# KiCad board mainboard.kicad_pcb (continued)
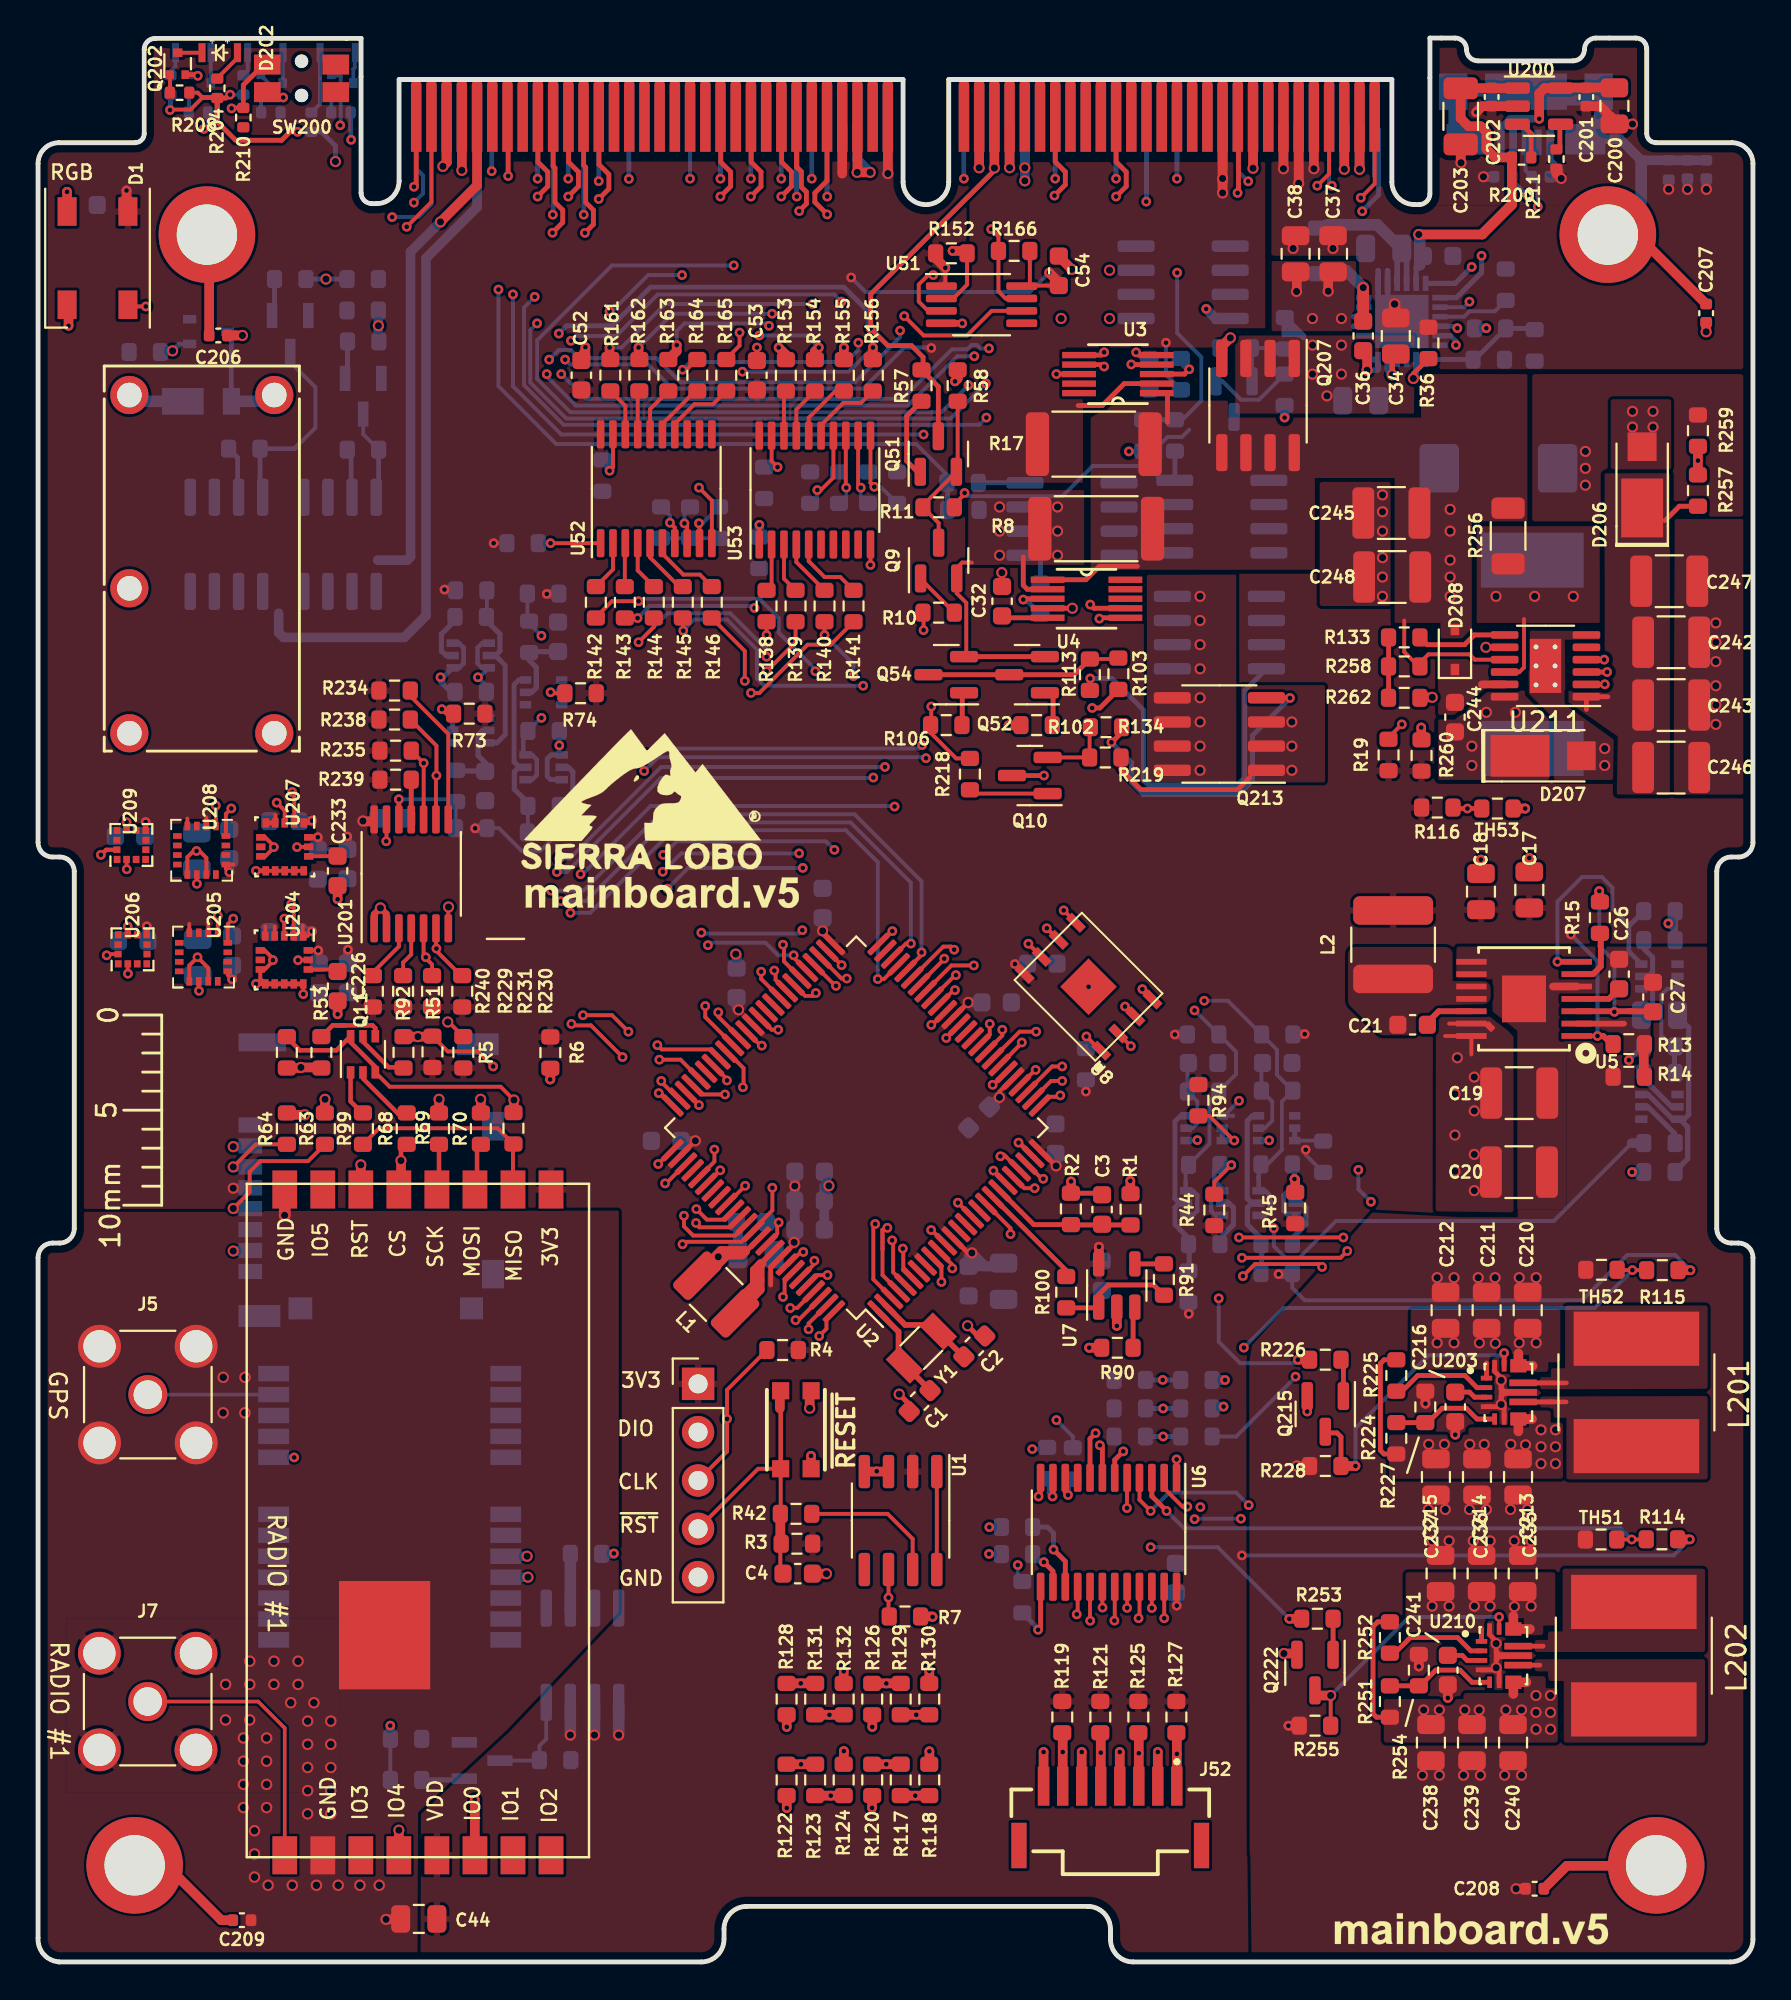
[diagram p0: board, top side]
## Nets (continued)
Net-(R140-Pad2): R140.2 U53.4
Net-(R141-Pad2): R141.2 U53.5
Net-(R142-Pad2): R142.2 U52.2
Net-(R143-Pad2): R143.2 U52.3
Net-(R144-Pad2): R144.2 U52.4
Net-(R145-Pad2): R145.2 U52.5
Net-(R146-Pad2): R146.2 U52.6
Net-(R147-Pad2): R147.2 U52.7
Net-(R148-Pad2): R148.2 U52.8
Net-(R149-Pad2): R149.2 U52.9
Net-(R150-Pad2): R150.2 U53.1
Net-(R151-Pad2): R151.2 U53.19
Net-(R153-Pad1): R153.1 U53.18
Net-(R154-Pad1): R154.1 U53.17
Net-(R155-Pad1): R155.1 U53.16
Net-(R156-Pad1): R156.1 U53.15
Net-(R157-Pad1): R157.1 U53.14
Net-(R158-Pad1): R158.1 U53.13
Net-(R159-Pad1): R159.1 U53.12
Net-(R160-Pad1): R160.1 U53.11
Net-(R161-Pad1): R161.1 U52.18
Net-(R162-Pad1): R162.1 U52.17
Net-(R163-Pad1): R163.1 U52.16
Net-(R164-Pad1): R164.1 U52.15
Net-(R165-Pad1): R165.1 U52.14
Net-(R167-Pad1): R167.1 U17.3
Net-(R224-Pad2): R224.2 R227.1 U203.5
Net-(R225-Pad2): R225.2 U203.2
Net-(R229-Pad2): R229.2 U201.4
Net-(R234-Pad2): R234.2 U201.8
Net-(R239-Pad2): R239.2 U201.11
Net-(R240-Pad2): R240.2 U201.3
Net-(R251-Pad2): R251.2 R254.1 U210.5
Net-(R252-Pad2): R252.2 U210.2
Net-(R257-Pad2): R257.2 R259.1 U211.2
Net-(U1-Pad1): U1.1 U1.8

Pads without a net: J1 1 8 DT SW; J52 S1 S2; J200 4; U1 5; U2 49 60 61 79 82 83; U3 9 10; U4 8 9 10; U6 9; U14 1 2 3 4 5 6 7 9 14 15 16 17 18 19; U17 6 9 10; U23 3 7 8 15; U51 5; U52 11 12 13; U53 6 7 8 9; U204 7; U205 3 5 6 7 8 12 14 15; U206 1 3 4 5 6 8 10 11; U207 7; U208 3 5 6 7 8 12 14 15; U209 1 3 4 5 6 8 10 11; U211 5

## Via types
v1: diameter 0.6, hole 0.4, Top to Bottom, 43 vias
v2: diameter 0.584, hole 0.381, Top to Bottom, 225 vias
v3: diameter 0.508, hole 0.254, Top to Bottom, 464 vias

## Routing (per net, layer and track width the routed paths; a pad name or vN(x,y) marks a point on that pad's centre or on a via; arc(x,y) is an arc through that point)
3.3V: length 145.8
  Top w0.203: v3(14.41,54.19) 14.16,53.94 U204.1 ; v3(10.06,57.29) 9.88,57.47 U208.13 10.26,57.69 10.26,57.7 ; U5.1 v3(82,48.68) ; U204.5 11.95,54.44 ; U208.4 7.85,60.11 ; U204.4 12.45,54.44 ; v3(47.7,89.07) 47.7,88.31 U51.1 ; v3(14.73,53.17) 14.73,53.18 U204.16 ; C54.1 51.75,88.13 U51.8 ; U207.1 14.29,59.88 v3(14.4,60) ; v2(50.55,45.45) 50.55,45.76 51.23,46.44 ; U201.14 17.17,60.07 v2(17.08,59.98) ; 51.87,51.95 v3(51.36,52.46) ; U207.16 14.7,59.12 v3(14.71,59.13) ; U205.2 8.95,54.54 ; U208.2 8.85,60.18 ; U205.13 9.98,51.89 v3(10.21,51.66) ; 13.92,53.96 13.92,54.5 ; U205.4 7.95,54.57 ; R166.1 52.15,88.3 ; U207.4 12.47,60.32
  Top w0.254: 48.07,38.11 48.9,37.27 v2(49.1,37.27) ; U206.7 v3(5.72,54.44) ; U2.77 v2(34.56,43.17) ; v2(53.53,41.85) 53.51,41.85 U2.25 ; U2.39 v2(48.9,50.44) ; 38.52,35.59 38.52,36.52 U2.92 39.78,37.78 ; 39.78,37.73 39.78,37.74 ; 12.47,59.88 11.97,59.88 ; U209.7 v3(5.66,59.93)
  Top w0.305: 82.85,48.13 82.3,48.68 v3(82,48.68)
  Top w0.508: R152.1 47.2,89.57 v3(47.7,89.07) ; P1.63 v2(44.68,94.02) ; P1.58 42.28,94.02 ; v3(53.16,88.81) 53.67,88.3 C54.1 ; U7.5 55.78,36.71 v3(55.78,37.6) ; v3(86.88,36.37) 86.23,36.37 R115.1 ; v3(86.84,22.21) 86.21,22.21 R114.1 ; v2(17.08,59.98) 17.11,59.96 17.43,59.96 ; v3(4.65,93.13) 4.65,92.1
  Bottom w0.203: R62.1 26.42,58.42 25.42,58.42 24.24,59.6 R66.1 ; v3(5.66,59.93) 5.66,59.22 C229.1 ; R93.1 66.65,42.43 v3(66.65,42.7) ; v3(63.3,21.37) 86,21.37 v3(86.84,22.21) ; v3(53.16,88.81) 52.15,87.8 43.51,87.8 v3(42.75,88.56) ; R82.1 65.95,35.44 66.6,34.78 81.18,34.78 83.57,37.17 86.07,37.17 v3(86.88,36.37) ; v3(80.6,54.01) 82,52.61 v3(82,48.68) ; R50.2 v3(55.09,45.76) ; v3(47.7,89.07) 47.7,87.92 ; C230.1 14.74,58.5 ; R136.1 v3(23.95,74.59)
  Bottom w0.254: v3(55.78,37.6) 55.78,37
  Bottom w0.508: 50.04,44.95 v2(50.55,45.45) ; 34.55,43.18 v2(34.56,43.17) ; v2(36.83,50.06) 36.73,50.16 C251.1 ; 39.73,38.29 39.73,37.86 v2(39.75,37.83) 39.79,37.87 v2(39.79,40.79) 39.79,41.29 ; v3(21.37,72.15) 21.91,72.15 R61.1 ; v3(10.06,57.29) 10.06,57.99 C228.1 ; C217.1 17.71,59.98 v2(17.08,59.98) ; v3(14.4,60) 13.76,60 C227.1 ; R83.1 60.51,34.67 v3(60.51,34.07) ; v3(14.41,54.19) 13.75,54.19 C220.1 ; v3(26.75,71.92) 27.36,71.92 R67.1 ; v2(10.26,40.68) 11.14,40.68 J1.4 ; C230.1 16.26,58.51 v3(16.26,59.17) ; v3(4.65,93.13) 4.66,93.12 C5.1 ; v3(66.6,48.78) 66,48.78 R84.1 ; v3(59.87,18.73) 59.87,19.36 C9.1 ; v2(53.53,41.85) 53.5,41.88 C11.1 ; 50.6,36.57 49.8,36.57 v2(49.1,37.27) 48.93,37.1 C10.1 50.59,36.56 ; v3(22.98,59.6) 23.6,59.6 R66.1 ; R85.1 60.43,48.76 v3(59.77,48.76) ; v3(10.21,51.66) C221.1 ; v3(14.71,59.13) 14.71,58.47 C231.1 ; v3(16.29,53.21) 16.29,52.51 C223.1 ; C219.1 48.91,50.44 v2(48.9,50.44) ; C252.1 34.5,43.17 ; v2(41.25,54.21) C234.1 ; v3(5.72,54.44) 5.72,53.75 ; C224.1 14.73,52.53 v3(14.73,53.17) ; v3(65.23,36.16) 65.89,36.16 R82.1 ; P1.63 v2(44.68,94.02)
  Bottom w0.61: 30.53,13.53 v2(30.53,11.93) ; 29.26,13.53 v2(29.26,11.93) ; 27.99,13.53 v2(27.99,11.93)
5V_USB: length 139.2
  Top w0.203: R204.1 9.92,97.99 10.1,98.17 ; R208.2 8.4,98.27 8.65,98.02 8.02,97.38 6.96,97.38
  Top w0.235: v3(6.94,97.36) 6.96,97.38
  Top w0.254: 9.9,97.99 R204.1 9.42,96.74 10.39,95.77 12.8,95.77 13.25,96.22 v3(13.64,96.22) ; 8.65,98.02 9.4,98.02 ; v2(50.28,94.31) 50.28,94.19 43.78,87.68 v3(43.78,85.88) 44.68,84.98 45.93,84.98 46.53,84.37 46.53,83.78 R57.2 47.34,82.82 Q51.3 ; 9.42,96.96 9.42,97.18
  Top w0.272: 9.42,97.18 R204.1
  Top w0.508: C203.1 74.8,96.92 75.21,96.51 75.85,96.51 76.16,96.21 76.16,95.31 76.6,94.87 R200.1 77.49,92.42 ; 77.82,98.51 74.81,98.51 ; 77.49,92.42 77.49,92.37 75.94,90.82 v2(72.6,90.82) ; 77.49,92.42 77.49,92.41 75.9,90.82 ; P1.70 v2(50.28,94.31)
  In2.Cu w0.254: v3(76.15,85.89) 76.15,88.35 79.58,91.78 79.58,92.8 78.84,93.54 77.75,93.54 75.03,90.82 v2(72.6,90.82) ; v3(27.38,85.61) 27.36,85.64 22.05,85.64 15.64,92.05 v2(15.64,94.65)
  In2.Cu w0.508: v2(72.6,90.82) 72.38,90.82 70.4,92.79 70.4,95.02 69.93,95.49 50.8,95.49 50.28,94.97 v2(50.28,94.31)
  Bottom w0.203: 13.92,96.22 14.37,96.22 ; 13.92,96.22 13.72,96.22 ; 13.92,96.22 v3(13.64,96.22) ; R203.1 v3(10.1,98.17)
  Bottom w0.254: 6.96,97.38 R202.1 ; v2(15.64,94.65) 15.64,95.48 14.9,96.21 R205.1 ; v3(27.38,85.61) 27.79,86.02 30.18,86.02 32.21,88.05 42.37,88.05 43.64,86.78 43.64,86.02 v3(43.78,85.88)
  Bottom w0.279: 72.65,89.29 72.46,89.1 U17.23
  Bottom w0.508: v3(76.15,85.89) 75.53,85.89 R34.1
  Bottom w0.61: 72.65,89.22 72.65,90.79
/adc_mux/Vcc_PYLD_adc: length 9
  Top w0.254: U6.8 55.31,27.51 v3(55.6,27.8)
  In2.Cu w0.254: v3(55.6,27.8) 56.34,27.8 v3(59.13,30.6)
  Bottom w0.254: R41.2 v3(59.13,30.6) R54.1
/adc_mux/Vcc_RF_adc: length 7.7
  Top w0.254: U6.7 55.96,27.03 v3(55.83,27.16)
  In2.Cu w0.254: v3(55.83,27.16) 56.43,27.16 58.36,29.1 v3(59.16,29.1)
  Bottom w0.254: R56.1 v3(59.16,29.1) R55.2
/Power/3V3_EN: length 13.6
  Top w0.254: v3(79.89,52.58) 79.89,52.58 U5.7
  Bottom w0.203: v3(79.89,52.58) 79.89,55.75 81.18,57.04 82.22,57.04 82.78,56.48 82.78,55.38 83.68,54.49
  Bottom w0.254: Q2.6 83.64,53.12 83.64,54.46 R29.2
GND: length 139.1
  Top w0.203: v3(12.89,98.02) 12.34,98.02 ; U204.13 v3(13.95,50.88) ; 58.61,50.6 v3(58.07,51.14) ; U2.90 38.86,38.28 38.86,38.8 v3(38.94,38.87) ; U207.15 13.63,58.62 v3(13.62,58.61) ; U2.31 50.28,46.16 50.24,46.16 v3(50.19,46.11) ; U204.6 11.92,53.18 12.35,52.75 v3(12.35,52.67) 12.35,52.61 11.92,52.18 U204.8 11.69,51.68 U204.9 11.47,51.42 v3(11.46,51.42) ; U1.4 44.08,25.78 v3(44.1,25.79) 44,25.9 ; U207.13 11.46,57.36 v3(11.46,57.36) ; v3(34.75,77.51) 35.43,76.83 U52.10 ; 28.57,84.25 28.57,84.68 v3(28.78,84.89) ; U201.7 21.57,55.45 v2(21.58,55.46) ; U204.15 13.68,52.68 v3(13.67,52.67) ; U208.11 8.85,58.04 8.49,58.41 v3(8.33,58.41) 8.18,58.41 7.85,58.08 U208.9 ; U205.9 7.95,52.39 v3(8.38,52.82) 8.95,52.25 U205.11 ; v3(38.92,49.01) 38.57,49.01 U2.62 ; v3(43.77,73.44) 43.77,73.45 U53.10 ; U2.38 47.75,48.59 v3(47.75,48.57) ; U1.3 44.21,25.78 ; U2.11 46.98,38.48 v3(46.96,38.48) ; U2.50 44.87,54.19 v3(44.92,54.19) ; 33.34,42.68 v3(32.61,41.95) ; 37.8,84.24 v3(37.8,84.88) ; U207.8 11.95,58.12 12.4,58.58 v3(12.4,58.61) 12.4,58.67 11.95,59.12 U207.6
  Top w0.235: SW1.B 40.65,29.19
  Top w0.254: 8.33,99.19 8.3,99.22 Q202.2 ; v2(76.67,16.74) v2(76.67,15.47) 76.82,15.31 U210.6 ; U210.4 76.55,15.35 ; 76.67,15.88 76.89,16.1 76.67,16.33 ; 76.67,16.87 76.32,17.21 U210.15 ; 49.48,96.56 49.48,94.43 ; U2.24 51.58,43.07 v3(51.55,43.07) ; U209.9 v3(4.66,59.92) ; v2(76.93,30.58) 76.93,30.16 77.15,29.94 76.93,29.72 v2(76.93,29.31) ; v2(76.93,30.58) 76.93,30.71 76.59,31.05 U203.15 ; v2(76.93,30.58) v2(76.93,29.31) ; v2(54.38,71.17) 54.38,71.17 U4.4 ; v2(76.93,29.31) 77.09,29.15 U203.6 ; v2(76.93,29.31) 76.81,29.19 U203.4 ; v2(76.93,29.31) 76.93,29.56 ; U206.9 v3(4.72,54.44) ; U204.9 U204.13 ; U3.4 57.49,83.98 v3(57.48,83.99) ; v3(52.61,24.47) 52.7,24.57 52.7,25.44 ; 54.5,40.41 55.86,40.41 ; v3(53.55,83.48) U3.8 ; v3(72.95,29.35) 72.95,29.84 ; 11.97,57.36 v3(11.46,57.36) ; C32.1 50.69,73.03 v2(50.68,73.04)
  Top w0.272: 45.8,29.33 v2(45.28,29.85) ; 49.4,32.92 v2(48.88,33.45)
  Top w0.338: U8.4 58.07,51.13 v3(58.07,51.14) ; U51.4 48.58,86.15 v3(48.59,86.14) ; U201.1 17.67,55.08 v2(18,55.41) 18.32,55.09 U201.2
  Top w0.406: 79.66,51.28 U5.5
  Top w0.508: C207.1 87.71,85.73 ; v3(42.37,11.09) 42.37,10.41 R124.2 ; R118.2 46.87,10.4 v3(46.87,11.08) ; R132.2 42.36,14.65 v3(42.36,15.28) ; C52.2 28.78,84.41 v3(28.78,84.89) ; J52.8 v3(52.87,11.04) ; R2.1 54.32,40.42 v3(54.32,41.03) ; v3(56.72,33.44) 56.72,34.42 U7.2 ; 10.43,85.51 C206.1 v2(10.75,85.51) ; 21.48,94.58 P1.5 21.48,94.6 v2(21.29,94.4) ; v2(18.3,2.24) 19.04,2.24 C44.1 ; R228.2 v2(66.19,26.07) ; v2(41.46,20.41) 41.45,20.42 C4.1 ; v3(78.41,58.04) 78.41,58.04 C17.1 ; v3(40.64,26.61) 40.64,25.93 SW1.B' ; J52.2 v3(58.88,11.04) ; v3(47.04,18.14) 47.02,18.16 R7.2 ; v3(1.6,86.02) 1.6,87.05 ; C233.2 15.75,56.58 v3(15.75,55.87) ; v2(49.48,94.32) 49.48,94.33 P1.67 ; v3(74.13,13.88) C241.1 ; v3(75.87,57.95) 75.87,57.95 C18.1 ; R227.2 72.94,29.36 v3(72.95,29.35) ; C226.2 15.75,50.52 v3(15.75,49.82) ; P1.71 v2(51.08,94.32) ; v3(46.86,15.3) 46.86,14.65 R130.2 ; v2(54.36,88.98) 53.67,89.67 C54.2 ; R254.2 72.6,15.54 v3(72.6,15.53) ; J52.6 v3(54.88,11.04) ; TH53.2 v3(78.19,60.64) ; U1.3 U1.4 ; C208.1 77.74,3.85 ; R262.2 72.68,66.48 v2(73.31,66.48) ; P1.115 v2(68.68,94.25) ; v2(40.57,29.11) 40.57,29.95 SW1.B ; P1.103 v2(63.88,94.3) ; v3(74.52,27.72) C216.1 ; J52.4 v3(56.88,11.04) ; v3(65.74,12.42) R255.2
  Top w0.61: U23.16 12.97,39.26 v2(12.97,39.25)
  Bottom w0.203: Q201.2 12.26,98.64 12.26,98.23 12.47,98.02 v3(12.89,98.02) ; R149.1 R147.1 ; Q203.2 15.86,99.18 15.91,99.12 15.91,96.58 v3(15.89,96.56) ; 62.84,44.49 62.84,44.48 Q19.1 62.36,44.48 v3(63.15,45.27) ; Q19.4 60.93,43.18 v3(60.96,43.21) ; Q18.4 64.72,43.18 v3(64.73,43.19)
  Bottom w0.254: 8.33,99.19 8.32,99.18 Q200.2 ; 49.5,96.56 49.5,94.47
  Bottom w0.508: v2(36.68,52.98) 36.75,52.91 36.75,52.27 ; P1.115 v2(68.68,94.25) ; C253.2 41.34,40.77 v2(41.58,40.81) 41.34,41.29 ; v2(63.88,94.3) P1.103 ; P1.67 49.48,94.32 ; 21.48,94.86 P1.5 21.48,94.6 v2(21.29,94.4) ; P1.71 v2(51.08,94.32)
  vias: v1(9.74,30.74) v1(9.73,28.87) v1(9.86,12.72) v1(9.86,14.59) v1(10.8,11.77) v1(10.8,10.56) v1(10.8,9.34) v1(10.8,8.12) v1(10.88,30.74) v1(10.87,28.87) v1(11.13,15.81) v1(11.13,14.59) v1(11.13,12.72) v1(11.38,6.9) v1(11.38,5.68) v1(11.38,4.46) v1(12.02,11.77) v1(12.02,10.56) v1(12.02,9.33) v1(12.02,8.12) v1(12.1,4.03) v1(12.4,15.81) v1(12.4,14.59) v1(13.29,13.63) v1(13.37,4.03) v1(13.67,15.81) v1(13.67,14.59) v1(14.18,12.66) v1(14.18,11.44) v1(14.18,10.22) v1(14.18,9) v1(14.17,7.79) v1(14.5,13.63) v1(14.64,4.03) v1(15.39,12.66) v1(15.39,11.44) v1(15.39,10.22) v1(15.39,9) v1(15.39,7.78) v1(15.78,4.03) v1(16.92,4.03) v1(17.94,4.03) v2(53.79,86.4) v2(56.34,88.94) v2(56.34,86.4) v2(70.69,77.13) v2(70.69,76.24) v2(70.69,75.22) v2(70.69,73.83) v2(70.69,72.81) v2(70.69,71.79) v2(72.79,9.82) v2(73.1,23.79) v2(73.3,22.14) v2(73.56,35.98) v2(73.68,9.82) v2(73.99,23.79) v2(74.19,22.14) v2(74.45,35.98) v2(74.95,9.82) v2(75.26,23.79) v2(75.46,22.14) v2(75.72,35.98) v2(75.84,9.82) v2(76.15,23.79) v2(76.35,22.14) v2(76.61,35.98) v2(77.11,9.82) v2(77.42,23.79) v2(77.62,22.14) v2(77.71,3.85) v2(77.88,35.98) v2(78,9.82) v2(78.31,23.79) v2(78.51,22.14) v2(78.77,35.98) v2(81.36,79.41) v2(81.36,78.52) v2(81.36,77.64) v2(82.37,63.79) v2(82.37,62.9) v2(87.71,85.7) v2(88.22,70.4) v2(88.22,69.38) v2(88.22,68.36) v2(88.22,67.09) v2(88.22,66.08) v2(88.22,65.06) v3(8.4,99.16) v3(55.23,51.27)
GNDREF: length 69.6
  Top w0.203: v3(48.72,77.23) 48.72,77.17 48.18,76.63
  Top w0.254: R103.2 55.83,65.93 v3(55.43,65.93) ; v3(52.89,62.37) Q10.3
  Top w0.508: C38.1 65.99,90.62 v2(65.99,90.08) ; v2(80.09,93.76) 79.83,94.02 R211.2 ; C37.1 68.09,90.75 v2(68.09,90.08) ; C202.2 75.94,97.56 v3(75.62,97.24) ; P1.111 v2(67.08,94.27) ; v2(83.84,96.62) 82.89,96.62 ; 77.82,97.56 76.43,97.56 ; C201.2 82.13,97.56 82.7,96.99 82.72,97 ; v2(66.28,93.51) P1.109 ; C203.2 74.8,94.7 ; P1.107 v2(65.48,94.27) ; 79.96,93.92 80.03,93.85
  Top w0.61: 71.33,86.27 v1(71.33,87.16)
  In2.Cu w0.254: 52.9,64.93 53.9,65.93 v3(55.43,65.93) ; 52.9,64.93 48.72,69.11 48.72,77.23 v3(48.72,77.23) ; 52.9,64.93 52.9,62.4 52.91,62.4
  Bottom w0.203: 60.53,80.56 60.15,80.18 59.39,80.18 59.01,79.79 59.01,79.03 58.63,78.65 55.45,78.65 53.86,77.06 48.89,77.06 v3(48.72,77.23)
  Bottom w0.272: 70.46,88.38 70.44,88.4
  Bottom w0.3: 70.46,88.91 70.46,87.53 ; 70.96,88.91 70.96,87.53
  Bottom w0.338: 80.03,93.85 80.03,94.21 79.51,94.73 J200.5
  Bottom w0.508: P1.111 v2(67.08,94.27) ; P1.107 v2(65.48,94.27) ; v2(80.09,93.76) 80,93.85 Z200.2 80.03,93.85 ; Z201.2 76.02,93.85 ; v2(66.28,93.51) P1.109 ; C205.2 v2(87.72,93.19) ; R201.2 v2(85.74,93.2) ; C204.2 v2(86.73,93.19)
  vias: v2(74.82,94.59) v2(76,93.85)
VBATT: length 139.6
  Top w0.203: v3(63.35,36.06) 63.99,36.69 67.36,36.69 v3(67.52,36.54)
  Top w0.254: 54.69,81.83 55.96,81.83 57.11,82.98 U3.2
  Top w0.508: 62.28,94.44 P1.99 62.28,93.56 ; v2(62.28,93) v2(62.28,93.76) ; v3(57.43,41.06) 57.43,40.41 R1.1
  In2.Cu w0.203: v3(46.97,84.85) 47.12,84.7 47.12,67.37 46.43,66.69 46.43,65.72 60.33,51.83 60.33,49.38 64.25,45.45 67.26,45.45 68.48,44.24 68.48,39.42 67.52,38.45 v3(67.52,36.54) ; v3(63.35,36.06) 64.06,36.77 64.06,38.19 63.63,38.62 60.17,38.62 57.73,41.06 v3(57.43,41.06) ; v3(8.71,96.37) 9.18,96.37 20.81,84.75 27.51,84.75 27.71,84.55 v3(27.71,84.24)
  Bottom w0.203: 8.94,96.58 R206.2 8.94,96.6 v3(8.71,96.37) ; R18.1 59.31,83.44 v3(59.31,85.13) ; 46.56,84.87 46.94,84.87 v3(46.97,84.85) ; 46.56,84.87 47.01,84.87 ; 46.56,84.87 45.54,84.87 43.39,82.72 33.35,82.72 32.08,83.99 27.97,83.99 v3(27.71,84.24)
  Bottom w0.508: v2(62.28,93) v2(62.28,93.76) ; 62.28,94.32 62.28,93.56 ; 62.28,94.32 P1.99 ; 62.28,94.32 62.28,94.22
VBUS: length 101.4
  Top w0.203: 75.36,47.71 U5.14 73.98,48.68 ; 76.4,49 76.07,49.33 U5.13 ; U5.13 76.28,49.33 76.5,49.1 ; U5.13 74.19,49.33
  Top w0.254: U203.1 76.16,31.48 ; U210.1 75.9,17.51 ; 66.73,29.81 v3(66.73,28.94)
  Top w0.508: 77.84,31.99 U203.12 78.58,31.34 ; 78.44,17.5 U210.12 77.57,18.18 ; v2(65.51,16.21) 66.19,16.21
  In4.Cu w0.61: U16.1 2.59,80.17 2.59,66.8 U16.14
  In4.Cu w0.762: U16.1 7.64,79.54 52.66,79.54 60.4,71.79 v2(61.1,71.79)
  Bottom w0.254: 84.37,48.13 v3(83.64,47.41)
  Bottom w0.272: 86.04,53.72 86.04,55.24
  Bottom w0.305: 84.47,41.53 v3(83.81,41.53) ; v3(85.72,54.6) 85.88,54.76 86.04,54.76 ; v3(85.72,54.6) 85.72,54.59 86.04,54.26 ; v3(85.72,54.6) 85.88,54.6 86.04,54.44 ; R29.1 R47.1
  Bottom w0.508: v3(83.81,41.53) R49.1
  Bottom w0.61: D4.C 4.93,82.05
  vias: v2(61.1,70.52) v2(61.1,69.25) v2(61.1,67.98) v2(61.1,66.46) v2(61.1,65.19) v2(61.1,63.92) v2(61.1,62.65) v2(73.3,18.71) v2(73.56,32.55) v2(74.19,18.71) v2(74.45,32.55) v2(74.5,45.63) v2(74.5,43.47) v2(74.5,41.57) v2(74.63,47.54) v2(75.52,46.52) v2(75.52,44.74) v2(75.52,42.46) v2(75.52,40.55) v2(75.52,18.71) v2(75.79,32.55) v2(76.35,18.71) v2(76.62,32.52) v2(77.63,18.68) v2(77.88,32.55) v2(78.51,18.71) v2(78.77,32.55)
VBUS_INHIBIT: length 19.5
  Top w0.203: Q9.2 48.3,71.96 48.81,71.45 48.81,68.74 ; 49.1,73.57 48.59,73.57 48.3,73.28
  Top w0.254: 51.8,73.87 51.8,72.37 52.01,72.17 U4.2 ; Q52.2 Q54.2
  In2.Cu w0.203: v3(57.36,79.41) 56.59,79.41 53.67,76.49 v2(53.6,76.49)
  Bottom w0.254: R26.1 52.72,73.71 52.48,73.95 ; v3(57.36,79.41) 57.37,79.43 R221.1
  vias: v2(50.56,76.49) v2(50.56,75.22) v2(50.56,73.95) v2(53.6,75.22) v2(53.6,73.95)
VBUS_RESET: length 53.1
  Top w0.203: v3(41.95,51.32) 41.92,51.32 U2.54
  In2.Cu w0.203: v3(64.98,38.57) 63.12,40.42 60.25,40.42 57.46,43.22 54.29,43.22 46.47,51.04 42.23,51.04 v3(41.95,51.32)
  Bottom w0.203: v3(64.98,38.57) 64.98,37.63 65.57,37.03 66.33,37.03 68.24,38.95 79.69,38.95 83.79,43.05
  Bottom w0.508: 83.79,43.05 R52.2
VBUS_USB: length 11.1
  Top w0.254: 63.71,62.27 63.07,61.63 57.99,61.63 56.94,62.68 R219.1
  Top w0.508: v2(67.84,87.83) 67.84,88.62 ; 66.18,88.63 66.18,87.83 v2(66.17,87.82)
  Bottom w0.279: U17.16 69.43,86.5
  Bottom w0.3: U17.16 69.17,86.5 ; U17.15 69.17,86
  vias: v2(65.92,65.19) v2(65.92,63.92) v2(65.92,62.65) v2(67.01,86.4) v2(68.53,86.4)
VCC_MHX: length 14.2
  Top w0.254: 71.72,31.66 70.77,31.66 70.58,31.47 70.58,26.89 70.77,26.7 71.72,26.7
  Top w0.508: 77.84,27.89 U203.7 78.55,28.54
  Bottom w0.508: 51.88,93.75 v2(51.88,94.32) 51.88,94.64 ; 51.88,94.64 P1.73 51.88,94.41 ; 51.88,94.64 51.88,94.43 ; R55.1 61.83,29.2 v3(62.33,29.2)
  vias: v2(51.88,93.64) v2(73.12,27.21) v2(73.94,27.21) v2(75.28,27.21) v2(76.04,27.21) v2(77.44,27.21) v2(78.21,27.19) v2(79.02,27.97) v2(79.02,27.09) v2(79.02,26.2) v2(79.79,27.97) v2(79.79,27.09) v2(79.79,26.2)
VCC_PAYLOAD: length 24.7
  Top w0.254: 71.33,12.87 70.38,12.87 70.19,13.06 70.19,17.63 70.44,17.88 71.33,17.88
  Top w0.508: 77.57,14.09 U210.7 78.26,14.7 ; R120.1 43.85,8.74 v3(43.85,8.1) ; v2(43.75,94.08) 43.75,94.08 v2(43.07,94.08) 43.08,94.1 P1.59 ; R128.1 39.37,12.99 v3(39.37,12.36) ; v3(43.87,12.35) 43.87,12.99 R126.1 ; v3(39.37,8.09) 39.37,8.74 R122.1
  In2.Cu w0.203: v3(62.41,30.59) 61.12,29.3 v3(61.12,23.91)
  Bottom w0.508: 43.07,96.55 43.07,94.77 v2(43.75,94.08) ; R41.1 61.73,30.59 v3(62.41,30.59)
  vias: v2(72.86,13.25) v2(73.68,13.25) v2(75.02,13.25) v2(75.78,13.25) v2(77.17,13.25) v2(78,13.25) v2(78.76,14.01) v2(78.76,13.12) v2(78.76,12.23) v2(79.52,14.01) v2(79.52,13.12) v2(79.52,12.23)
/adc_mux/mux_out: length 11.6
  Top w0.254: v3(59.86,26.42) U6.1
  Top w0.508: R90.1 55.27,32.29 v3(55.27,32.29)
  In2.Cu w0.254: v3(55.27,32.29) 59.01,32.29 59.86,31.44 v3(59.86,26.42)
/adc_mux/NTC1: length 14.6
  Top w0.203: U6.23 v3(59.21,18.07)
  Top w0.254: J52.1 v3(59.88,10.94) 59.88,12.03
  Top w0.508: J52.1 59.88,12.03
  In2.Cu w0.203: v3(59.21,18.07) 59.21,11.61 v3(59.88,10.94)
/adc_mux/NTC2: length 14.6
  Top w0.203: U6.22 58.56,18.61 v3(58.56,18.6)
  Top w0.254: 57.88,12.03 v3(57.88,10.97) J52.3
  Top w0.508: J52.3 57.88,12.03
  In2.Cu w0.203: v3(58.56,18.6) 58.56,11.66 v3(57.88,10.97)
/adc_mux/NTC3: length 15.1
  Top w0.203: U6.21 57.91,18.12 v3(57.86,18.07)
  Top w0.254: 55.88,12.03 v3(55.88,11.01) J52.5
  Top w0.508: J52.5 55.88,12.03
  In2.Cu w0.203: v3(57.86,18.07) 57.86,12.99 v3(55.88,11.01)
/adc_mux/NTC4: length 15.7
  Top w0.203: U6.20 v3(57.26,18.61)
  Top w0.254: 53.88,12.03 v3(53.88,11.04) J52.7
  Top w0.508: J52.7 53.88,12.03
  In2.Cu w0.203: v3(57.26,18.61) 57.26,14.42 v3(53.88,11.04)
/adc_mux/slr_temp_1: length 20
  Top w0.203: U6.19 56.61,17.96 v3(56.59,17.95)
  Top w0.254: R117.2 v3(46.12,8.75) R118.1
  Top w0.508: R117.2 R118.1
  In2.Cu w0.203: v3(56.59,17.95) 56.59,16.42 48.92,8.75 v3(46.12,8.75)
/adc_mux/slr_temp_2: length 23.8
  Top w0.203: v3(55.97,18.63) 55.96,18.64 U6.18
  Top w0.254: R124.1 v3(41.68,8.75) R123.2
  Top w0.508: R124.1 R123.2
  In2.Cu w0.203: v3(55.97,18.63) 55.97,16.43 48.97,9.44 42.37,9.44 v3(41.68,8.75)
/adc_mux/slr_temp_3: length 16
  Top w0.203: U6.17 55.31,17.94 v3(55.32,17.94)
  Top w0.254: R130.1 v3(46.18,13) R129.2
  Top w0.508: R130.1 R129.2
  In2.Cu w0.203: v3(46.18,13) 50.38,13 v3(55.32,17.94)
/adc_mux/slr_temp_4: length 19.7
  Top w0.203: U6.16 54.66,18.33 v3(54.61,18.28)
  Top w0.254: R132.1 v3(41.61,13) R131.2
  Top w0.508: R132.1 R131.2
  In2.Cu w0.203: v3(54.61,18.28) 49.84,13.5 42.12,13.5 v3(41.61,13)
/adc_mux/VSOLAR_adc: length 5.9
  Top w0.254: U6.6 56.61,26.39 v3(57.06,26.84)
  In2.Cu w0.254: v3(59.16,27.62) 57.84,27.62 v3(57.06,26.84)
  Bottom w0.254: R65.1 v3(59.16,27.62) R59.2
/Avionics/BATTERY: length 7.6
  Top w0.254: R1.2 54.52,38.74 ; U2.19 52.35,38.76 54.5,38.76
/Avionics/XTAL1: length 4.9
  Top w0.3: 46.91,30.05 45.57,31.39 ; 45.25,31.71 45.25,33.13 44.14,34.24
/Avionics/XTAL2: length 4.9
  Top w0.3: 48.67,31.81 47.33,33.15 ; 47,33.49 45.59,33.49 44.49,34.59
/Burn Wires/VBURN_A_IN: length 4.3
  Bottom w0.254: 16.46,79.3 16.46,77.4 ; 10.49,77.32 10.49,79.09 R37.2
/IMU/SCL_IMU1: length 25.7
  Top w0.203: 22.24,51.85 20.95,53.15 v3(20.95,53.28) 20.92,53.3 U201.6 ; U204.2 13.45,55.48 v3(13.31,55.61) ; v3(3.61,52.92) 3.67,52.99 U206.12 ; U205.1 v3(9.45,55)
  In2.Cu w0.203: v3(3.61,52.92) 5.34,52.92 7.42,55 v3(9.45,55) 10.11,55.66 13.26,55.66 v3(13.31,55.61) 13.62,55.31 16.11,55.31 18.04,53.38 20.85,53.38 v3(20.95,53.28)
/IMU/SCL_IMU2: length 27.3
  Top w0.203: v3(3.3,58.2) 3.57,58.47 U209.12 3.61,58.47 3.55,58.41 ; 20.28,60.07 v3(20.28,63.03) R235.2 ; v3(13.36,61.51) 13.47,61.4 U207.2 ; U208.1 9.35,60.79 v3(9.35,60.79)
  In2.Cu w0.203: v3(3.3,58.2) 3.36,58.15 4.93,58.15 7.57,60.79 v3(9.35,60.79) 10.16,61.61 13.26,61.61 v3(13.36,61.51) 16.97,61.51 18.49,63.03 20.27,63.03 v3(20.28,63.03)
/IMU/SDA_IMU1: length 23.2
  Top w0.203: v3(4.73,51.96) 4.72,51.97 U206.2 ; U205.16 9.98,54.56 v3(10.26,54.85) ; U204.3 12.95,54.84 v3(12.96,54.85) ; R231.2 20.72,52.44 20.39,52.77 v3(20.39,52.82) 20.27,52.94 U201.5
  In2.Cu w0.203: v3(4.73,51.96) 5.13,51.96 7.52,54.34 9.76,54.34 v3(10.26,54.85) v3(12.96,54.85) 15.75,54.85 17.78,52.82 v3(20.39,52.82)
/IMU/SDA_IMU2: length 27.5
  Top w0.203: U201.9 20.92,62.34 v3(20.95,62.37) 20.95,63.94 R238.2 ; U209.2 4.66,57.45 v3(4.67,57.44) ; v3(12.55,60.95) 12.97,60.53 U207.3 ; v3(10.16,60.64) 9.88,60.36 U208.16
  In2.Cu w0.203: v3(20.95,62.37) 18.85,62.37 17.43,60.95 v3(12.55,60.95) 10.47,60.95 v3(10.16,60.64) 9.81,60.29 7.67,60.29 4.83,57.44 v3(4.67,57.44)
/RF and GPS/RF_IN: length 6.6
  Bottom w0.191: J5.1 12.39,29.83
/SLI_Card/CHS: length 54.9
  Top w0.508: 82.67,90.94 83.93,90.94 C207.2 ; C208.2 80.38,5.05 85.05,5.05 ; C209.2 9.63,2.2 6.77,5.05 5.11,5.05 ; 8.84,90.77 9,90.62 C206.2
  Bottom w0.508: 82.06,97.9 82.42,97.54 82.42,96.89 J200.6 ; J200.6 82.06,96.53 J200.6 J200.6 74.41,96.53 J200.6 ; J200.6 83.18,95.83 84.29,94.72 R201.1 87.71,94.72 ; 77.66,97.92 78.68,97.92 ; 78.68,98.81 77.79,98.81 ; 80.33,97.85 81.34,97.85
  Bottom w0.61: 84.29,94.72 84.29,92.56 H201.1
/SLI_Card/H1-17: length 22.4
  Top w0.203: R156.2 v3(43.89,84.88)
  Top w0.508: v3(43.89,84.88) R156.2
  In2.Cu w0.203: v3(35.88,93.75) 36.53,93.1 36.53,92.41 37.39,91.54 37.39,85.23 37.04,84.87 v3(37.04,83.6)
  Bottom w0.203: v3(43.89,84.88) 42.62,83.6 v3(37.04,83.6)
  Bottom w0.254: v3(35.88,93.75) 35.88,96.55
/SLI_Card/H1-18: length 13.9
  Top w0.203: v3(36.89,85.66) 36.89,84.98 36.15,84.24
  Top w0.254: v3(35.88,92.81) 36.41,93.34 36.41,94.11 35.9,94.62 35.9,96.56
  In2.Cu w0.203: v3(35.88,92.81) 35.88,92.59 37.06,91.41 37.06,85.84 v3(36.89,85.66) ; v3(35.88,92.81) 35.93,92.76 ; v3(35.88,92.81) 35.99,92.7
/SLI_Card/H1-19: length 15.7
  Top w0.508: R154.2 40.85,84.67 v3(41.05,84.87)
  In2.Cu w0.203: v3(37.92,85.51) 37.72,85.71 37.72,91.68 37,92.41 37,93.27 v3(37.48,93.75)
  Bottom w0.203: v3(41.05,84.87) 40.42,85.51 v3(37.92,85.51)
  Bottom w0.254: v3(37.48,93.75) 37.48,96.55
/SLI_Card/H1-20: length 19.1
  Top w0.203: v3(33.58,85) 33.58,84.72 33.1,84.24
  Top w0.254: v3(37.48,92.81) 38.01,93.34 38.01,94.11 37.5,94.62 37.5,96.56
  Top w0.508: R163.2 33.58,84.68 v3(33.58,85)
  In2.Cu w0.203: v3(37.48,92.81) 38.05,92.24 38.05,86.4 v3(38.43,86.02)
  Bottom w0.203: v3(33.58,85) 33.58,85.74 33.99,86.14 38.31,86.14 v3(38.43,86.02)
/SLI_Card/H1-21: length 19.1
  Top w0.203: 31.57,84.24 v3(31.57,84.88)
  Top w0.508: R162.2 31.57,84.28 v3(31.57,84.88)
  In2.Cu w0.203: v3(39.08,93.75) 38.6,93.27 38.6,86.65 v3(38.6,86.65)
  Bottom w0.203: v3(31.58,84.88) 33.35,86.65 v3(38.6,86.65)
  Bottom w0.254: v3(39.08,93.75) 39.08,96.55
/SLI_Card/H1-22: length 12.7
  Top w0.254: 39.1,96.56 39.1,94.62 39.61,94.11 39.61,93.34 v3(39.08,92.81)
  Top w0.508: R153.2 39.32,84.49 v3(38.94,84.87)
  In2.Cu w0.203: v3(39.08,92.81) 39.08,85.12
/SLI_Card/H1-23: length 22.3
  Top w0.203: 30.05,84.24 v3(30.05,84.88)
  Top w0.508: R161.2 30.05,84.28 v3(30.05,84.88)
  In2.Cu w0.203: v3(40.68,93.75) 40.68,87.2 v3(40.72,87.16)
  Bottom w0.203: v3(30.05,84.88) 30.69,84.88 32.97,87.16 v3(40.72,87.16)
  Bottom w0.254: v3(40.68,93.75) 40.68,96.55
/SLI_Card/H1-39: length 22.5
  Top w0.203: R155.2 v3(42.37,84.88)
  Top w0.508: v3(42.37,84.88) R155.2
  In2.Cu w0.203: v3(56.68,93.75) 55.22,92.29 49.05,92.29 42.37,85.61 v3(42.37,84.88)
  Bottom w0.254: v3(56.68,93.75) 56.68,96.55
/SLI_Card/H1-40: length 32.4
  Top w0.203: v3(33.89,83.71) 34.09,83.71 34.62,84.24
  Top w0.254: P1.86 56.68,94.64 57.22,94.11 57.22,93.34 v3(56.68,92.81)
  In2.Cu w0.203: v3(43.13,85.13) 43.13,85.91 43.58,86.36 43.65,86.36 49.26,91.96 55.83,91.96 v3(56.68,92.81)
  Bottom w0.203: v3(43.13,85.13) 43.13,84.75 42.5,84.11 34.29,84.11 v3(33.89,83.71)
/SLI_Card/H1-41: length 17.4
  Top w0.203: 50.5,89.73 50.5,89.67 ; 50.5,89.67 50.5,87.83 50.87,87.45 U51.7 ; 50.5,89.67 50.5,89.7 ; R166.2 50.5,90.72 v3(50.12,91.1)